# KiCad board panel.opm-lowside.kicad_pcb
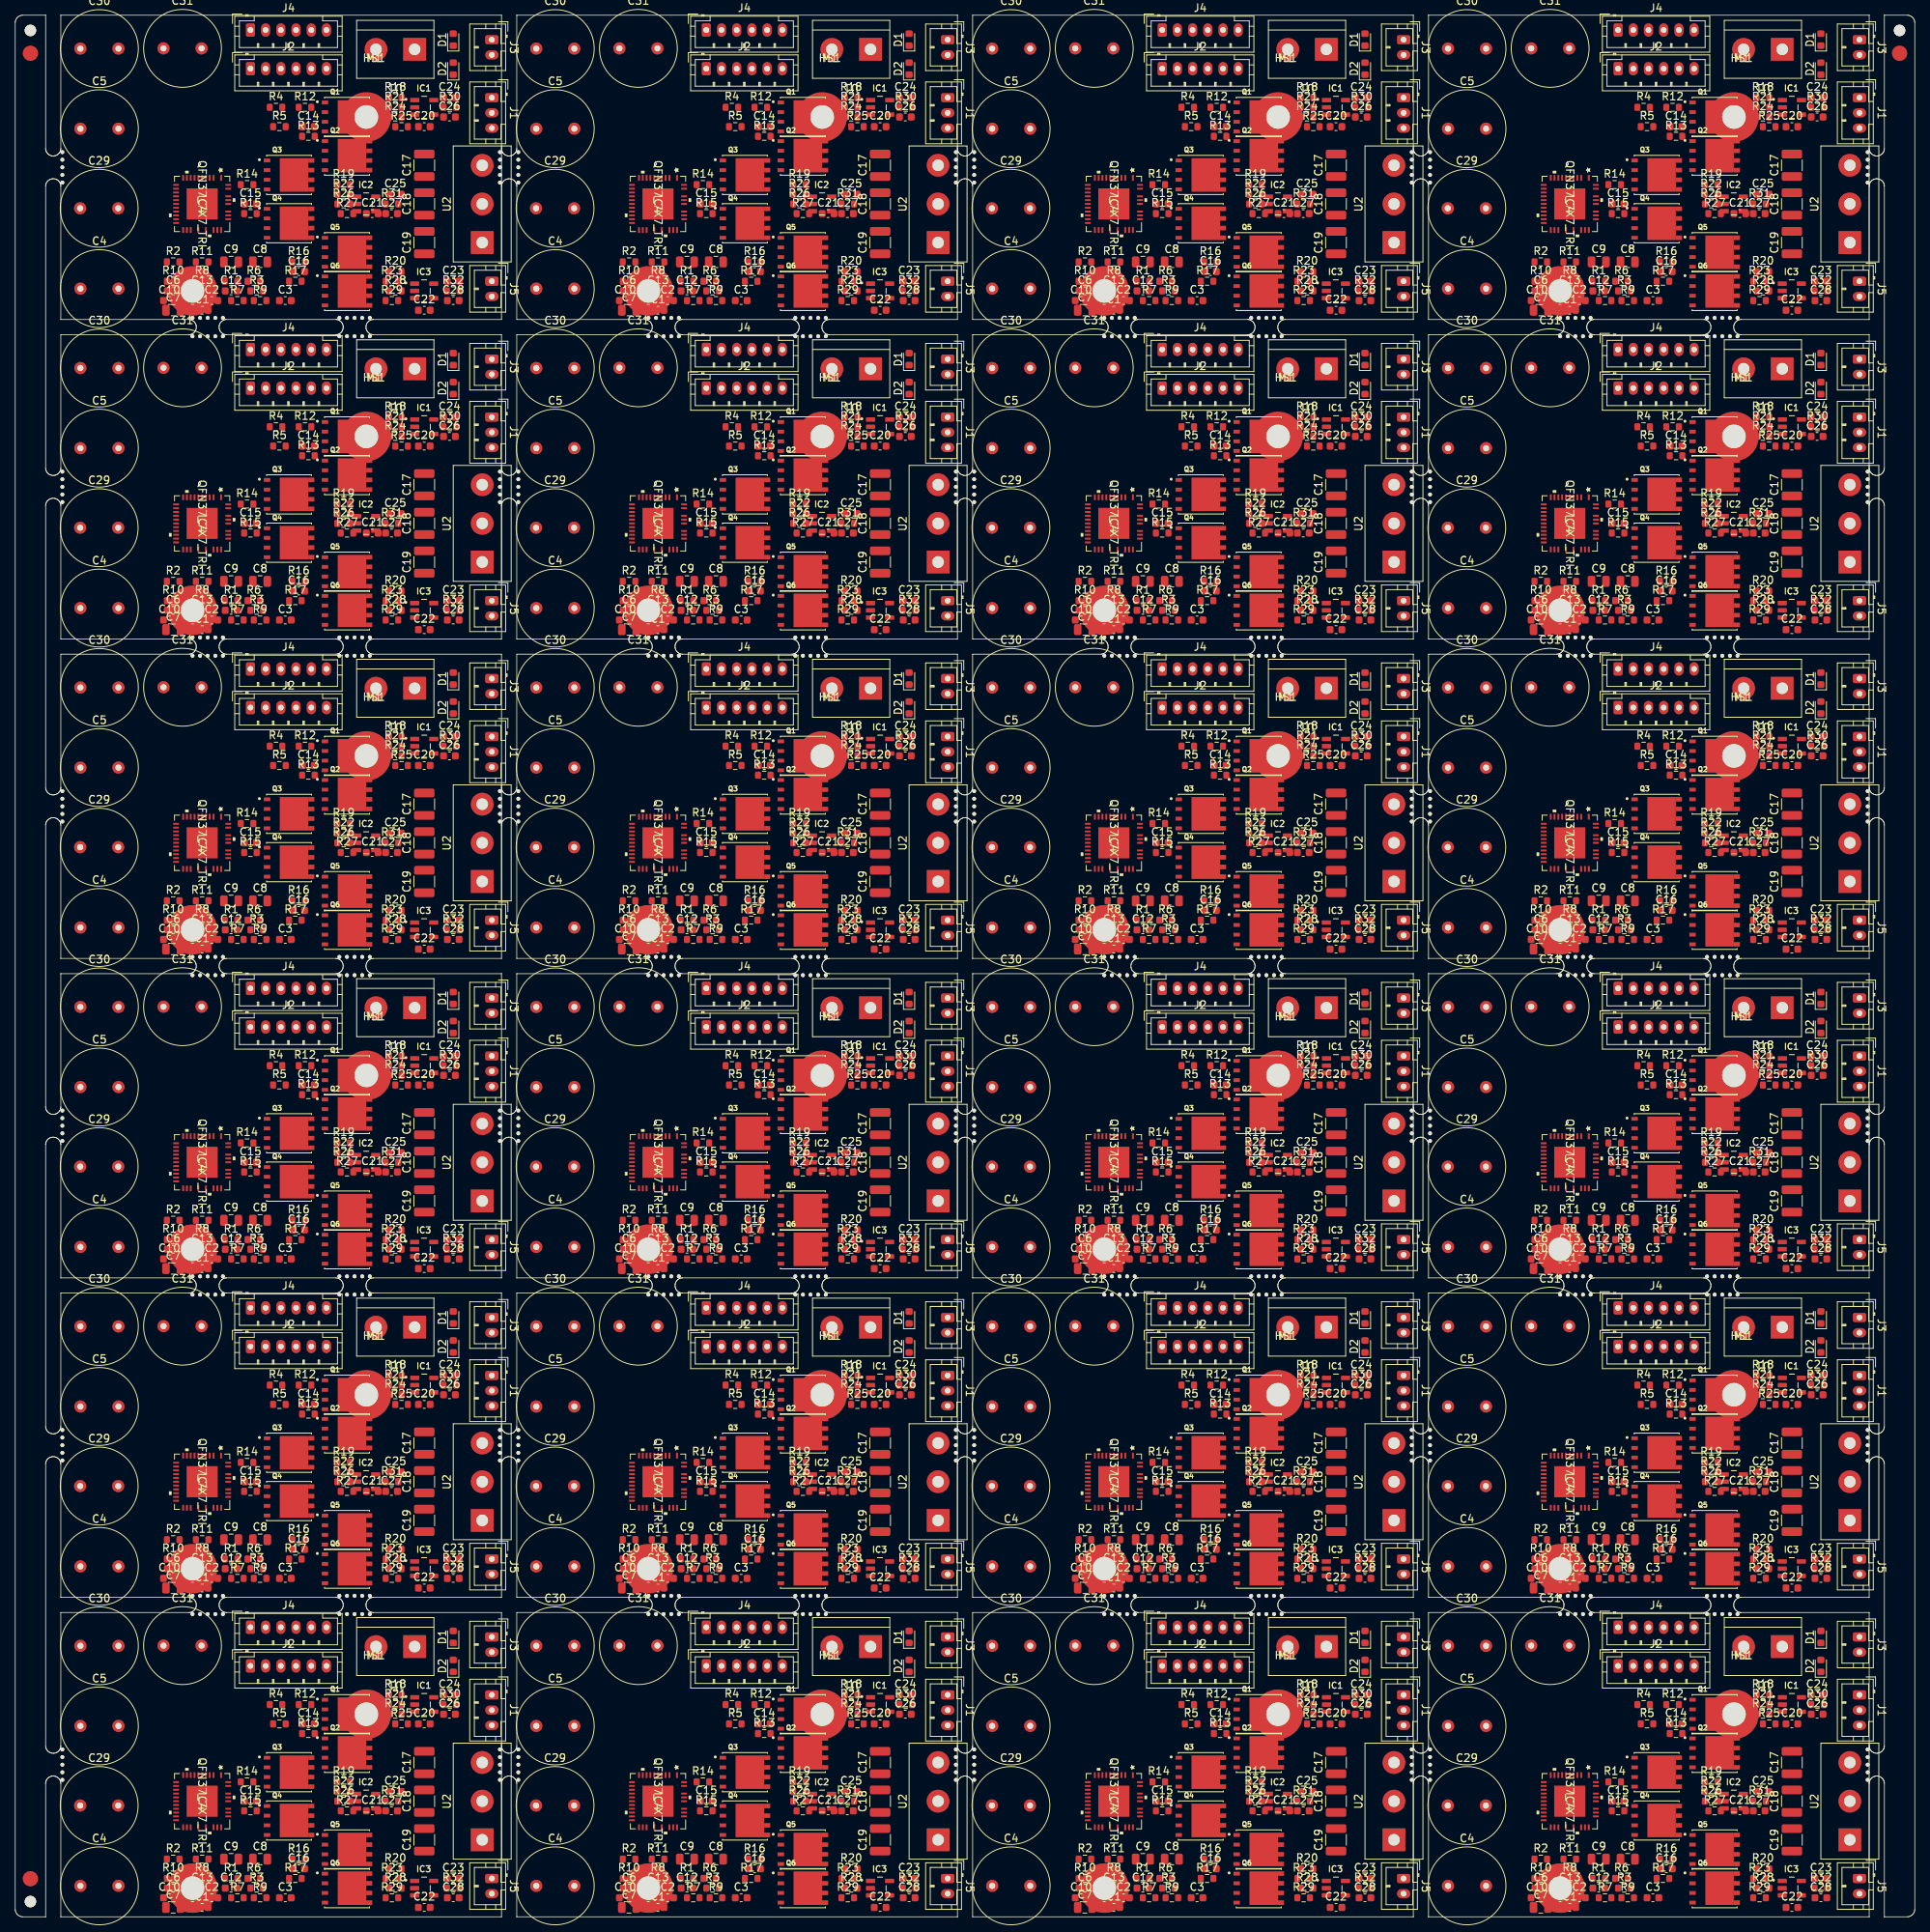
[diagram p0: board, top side]
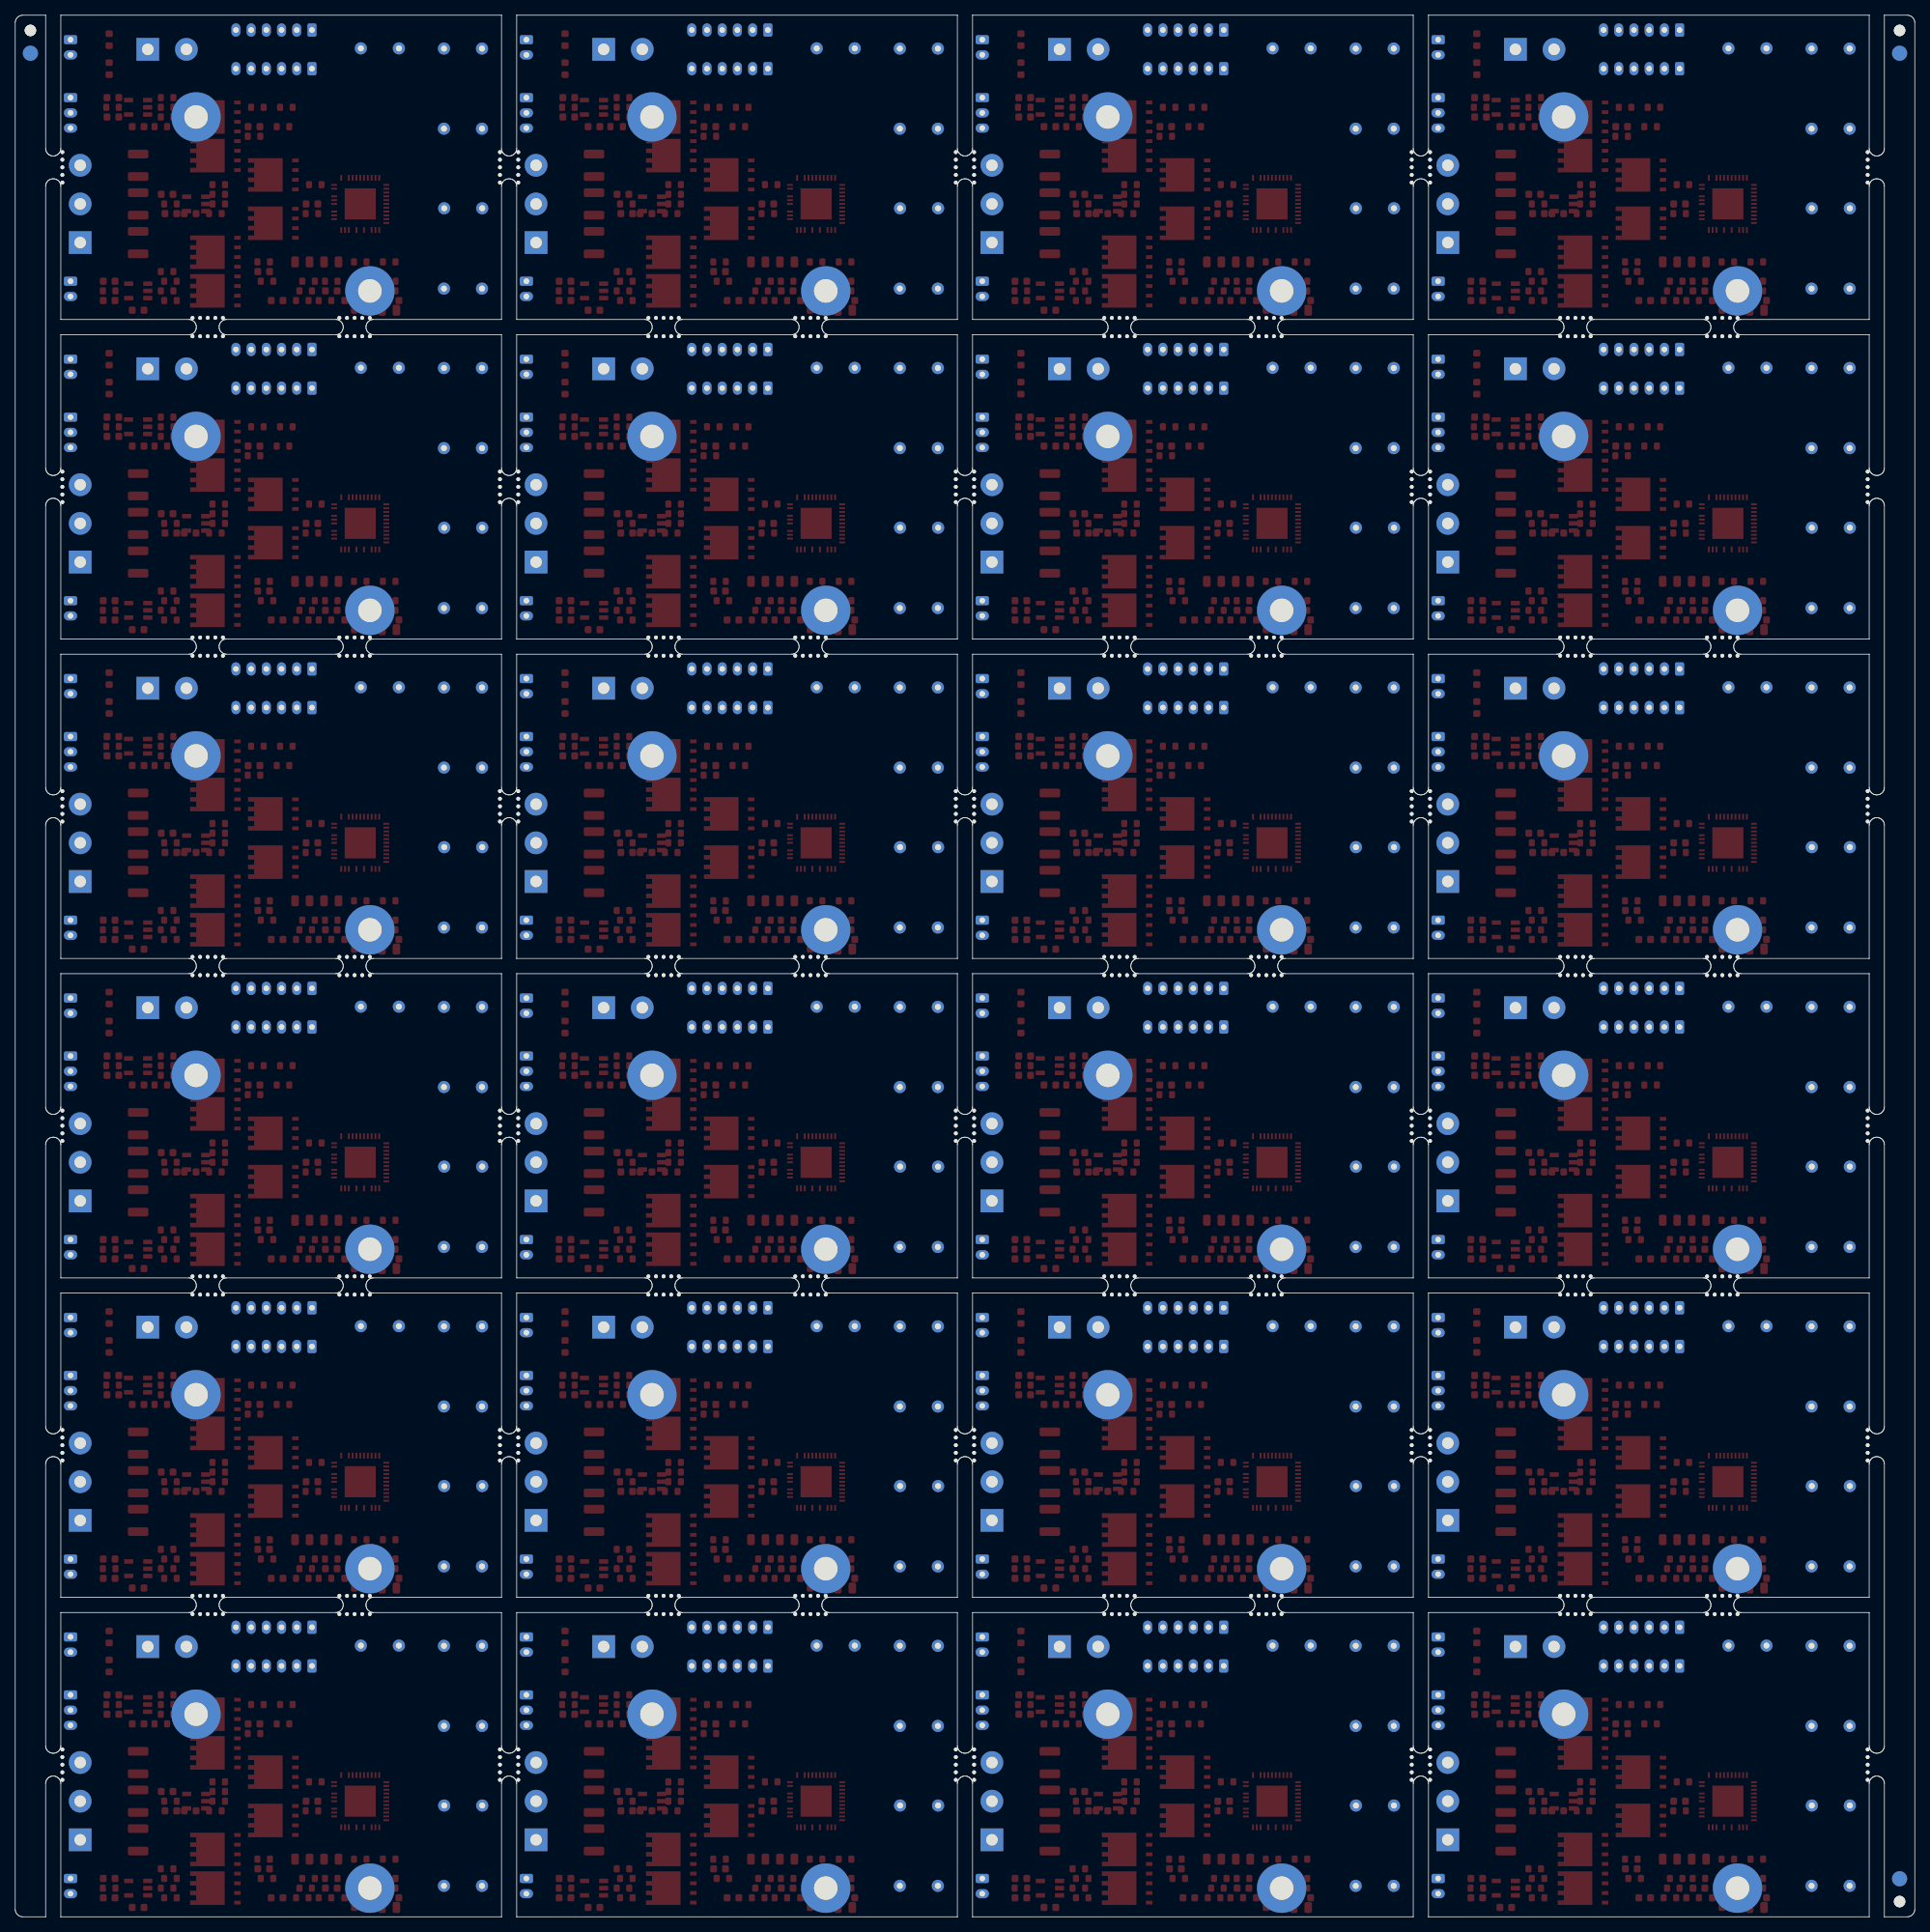
[diagram p1: board, bottom side, seen from below]

Outline 249.8 x 249.95 mm; copper layers: Top, Bottom. Coordinates in mm from the lower left corner of the outline.

## Placement (name value [footprint] x y rotation side)
C1  1nF/100V  [C_0603_1608Metric]  24.58 211.18 0 top
C1#2  1nF/100V  [C_0603_1608Metric]  84.53 211.18 0 top
C1#3  1nF/100V  [C_0603_1608Metric]  144.48 211.18 0 top
C1#4  1nF/100V  [C_0603_1608Metric]  204.43 211.18 0 top
C1#5  1nF/100V  [C_0603_1608Metric]  24.58 169.19 0 top
C1#6  1nF/100V  [C_0603_1608Metric]  84.53 169.19 0 top
C1#7  1nF/100V  [C_0603_1608Metric]  144.48 169.19 0 top
C1#8  1nF/100V  [C_0603_1608Metric]  204.43 169.19 0 top
C1#9  1nF/100V  [C_0603_1608Metric]  24.58 127.2 0 top
C1#10  1nF/100V  [C_0603_1608Metric]  84.53 127.2 0 top
C1#11  1nF/100V  [C_0603_1608Metric]  144.48 127.2 0 top
C1#12  1nF/100V  [C_0603_1608Metric]  204.43 127.2 0 top
C1#13  1nF/100V  [C_0603_1608Metric]  24.58 85.21 0 top
C1#14  1nF/100V  [C_0603_1608Metric]  84.53 85.21 0 top
C1#15  1nF/100V  [C_0603_1608Metric]  144.48 85.21 0 top
C1#16  1nF/100V  [C_0603_1608Metric]  204.43 85.21 0 top
C1#17  1nF/100V  [C_0603_1608Metric]  24.58 43.22 0 top
C1#18  1nF/100V  [C_0603_1608Metric]  84.53 43.22 0 top
C1#19  1nF/100V  [C_0603_1608Metric]  144.48 43.22 0 top
C1#20  1nF/100V  [C_0603_1608Metric]  204.43 43.22 0 top
C1#21  1nF/100V  [C_0603_1608Metric]  24.58 1.23 0 top
C1#22  1nF/100V  [C_0603_1608Metric]  84.53 1.23 0 top
C1#23  1nF/100V  [C_0603_1608Metric]  144.48 1.23 0 top
C1#24  1nF/100V  [C_0603_1608Metric]  204.43 1.23 0 top
C2  1nF/100V  [C_0603_1608Metric]  25.85 212.45 0 top
C2#2  1nF/100V  [C_0603_1608Metric]  85.8 212.45 0 top
C2#3  1nF/100V  [C_0603_1608Metric]  145.75 212.45 0 top
C2#4  1nF/100V  [C_0603_1608Metric]  205.7 212.45 0 top
C2#5  1nF/100V  [C_0603_1608Metric]  25.85 170.46 0 top
C2#6  1nF/100V  [C_0603_1608Metric]  85.8 170.46 0 top
C2#7  1nF/100V  [C_0603_1608Metric]  145.75 170.46 0 top
C2#8  1nF/100V  [C_0603_1608Metric]  205.7 170.46 0 top
C2#9  1nF/100V  [C_0603_1608Metric]  25.85 128.47 0 top
C2#10  1nF/100V  [C_0603_1608Metric]  85.8 128.47 0 top
C2#11  1nF/100V  [C_0603_1608Metric]  145.75 128.47 0 top
C2#12  1nF/100V  [C_0603_1608Metric]  205.7 128.47 0 top
C2#13  1nF/100V  [C_0603_1608Metric]  25.85 86.48 0 top
C2#14  1nF/100V  [C_0603_1608Metric]  85.8 86.48 0 top
C2#15  1nF/100V  [C_0603_1608Metric]  145.75 86.48 0 top
C2#16  1nF/100V  [C_0603_1608Metric]  205.7 86.48 0 top
C2#17  1nF/100V  [C_0603_1608Metric]  25.85 44.49 0 top
C2#18  1nF/100V  [C_0603_1608Metric]  85.8 44.49 0 top
C2#19  1nF/100V  [C_0603_1608Metric]  145.75 44.49 0 top
C2#20  1nF/100V  [C_0603_1608Metric]  205.7 44.49 0 top
C2#21  1nF/100V  [C_0603_1608Metric]  25.85 2.5 0 top
C2#22  1nF/100V  [C_0603_1608Metric]  85.8 2.5 0 top
C2#23  1nF/100V  [C_0603_1608Metric]  145.75 2.5 0 top
C2#24  1nF/100V  [C_0603_1608Metric]  205.7 2.5 0 top
C3  1nF/100V  [C_0603_1608Metric]  35.52 212.45 0 top
C3#2  1nF/100V  [C_0603_1608Metric]  95.47 212.45 0 top
C3#3  1nF/100V  [C_0603_1608Metric]  155.42 212.45 0 top
C3#4  1nF/100V  [C_0603_1608Metric]  215.37 212.45 0 top
C3#5  1nF/100V  [C_0603_1608Metric]  35.52 170.46 0 top
C3#6  1nF/100V  [C_0603_1608Metric]  95.47 170.46 0 top
C3#7  1nF/100V  [C_0603_1608Metric]  155.42 170.46 0 top
C3#8  1nF/100V  [C_0603_1608Metric]  215.37 170.46 0 top
C3#9  1nF/100V  [C_0603_1608Metric]  35.52 128.47 0 top
C3#10  1nF/100V  [C_0603_1608Metric]  95.47 128.47 0 top
C3#11  1nF/100V  [C_0603_1608Metric]  155.42 128.47 0 top
C3#12  1nF/100V  [C_0603_1608Metric]  215.37 128.47 0 top
C3#13  1nF/100V  [C_0603_1608Metric]  35.52 86.48 0 top
C3#14  1nF/100V  [C_0603_1608Metric]  95.47 86.48 0 top
C3#15  1nF/100V  [C_0603_1608Metric]  155.42 86.48 0 top
C3#16  1nF/100V  [C_0603_1608Metric]  215.37 86.48 0 top
C3#17  1nF/100V  [C_0603_1608Metric]  35.52 44.49 0 top
C3#18  1nF/100V  [C_0603_1608Metric]  95.47 44.49 0 top
C3#19  1nF/100V  [C_0603_1608Metric]  155.42 44.49 0 top
C3#20  1nF/100V  [C_0603_1608Metric]  215.37 44.49 0 top
C3#21  1nF/100V  [C_0603_1608Metric]  35.52 2.5 0 top
C3#22  1nF/100V  [C_0603_1608Metric]  95.47 2.5 0 top
C3#23  1nF/100V  [C_0603_1608Metric]  155.42 2.5 0 top
C3#24  1nF/100V  [C_0603_1608Metric]  215.37 2.5 0 top
C4  330uF/63V  [C_Radial_D10.0mm_H20.0mm_P5.00mm]  8.57 214.02 0 top
C4#2  330uF/63V  [C_Radial_D10.0mm_H20.0mm_P5.00mm]  68.52 214.02 0 top
C4#3  330uF/63V  [C_Radial_D10.0mm_H20.0mm_P5.00mm]  128.47 214.02 0 top
C4#4  330uF/63V  [C_Radial_D10.0mm_H20.0mm_P5.00mm]  188.42 214.02 0 top
C4#5  330uF/63V  [C_Radial_D10.0mm_H20.0mm_P5.00mm]  8.57 172.03 0 top
C4#6  330uF/63V  [C_Radial_D10.0mm_H20.0mm_P5.00mm]  68.52 172.03 0 top
C4#7  330uF/63V  [C_Radial_D10.0mm_H20.0mm_P5.00mm]  128.47 172.03 0 top
C4#8  330uF/63V  [C_Radial_D10.0mm_H20.0mm_P5.00mm]  188.42 172.03 0 top
C4#9  330uF/63V  [C_Radial_D10.0mm_H20.0mm_P5.00mm]  8.57 130.04 0 top
C4#10  330uF/63V  [C_Radial_D10.0mm_H20.0mm_P5.00mm]  68.52 130.04 0 top
C4#11  330uF/63V  [C_Radial_D10.0mm_H20.0mm_P5.00mm]  128.47 130.04 0 top
C4#12  330uF/63V  [C_Radial_D10.0mm_H20.0mm_P5.00mm]  188.42 130.04 0 top
C4#13  330uF/63V  [C_Radial_D10.0mm_H20.0mm_P5.00mm]  8.57 88.05 0 top
C4#14  330uF/63V  [C_Radial_D10.0mm_H20.0mm_P5.00mm]  68.52 88.05 0 top
C4#15  330uF/63V  [C_Radial_D10.0mm_H20.0mm_P5.00mm]  128.47 88.05 0 top
C4#16  330uF/63V  [C_Radial_D10.0mm_H20.0mm_P5.00mm]  188.42 88.05 0 top
C4#17  330uF/63V  [C_Radial_D10.0mm_H20.0mm_P5.00mm]  8.57 46.06 0 top
C4#18  330uF/63V  [C_Radial_D10.0mm_H20.0mm_P5.00mm]  68.52 46.06 0 top
C4#19  330uF/63V  [C_Radial_D10.0mm_H20.0mm_P5.00mm]  128.47 46.06 0 top
C4#20  330uF/63V  [C_Radial_D10.0mm_H20.0mm_P5.00mm]  188.42 46.06 0 top
C4#21  330uF/63V  [C_Radial_D10.0mm_H20.0mm_P5.00mm]  8.57 4.07 0 top
C4#22  330uF/63V  [C_Radial_D10.0mm_H20.0mm_P5.00mm]  68.52 4.07 0 top
C4#23  330uF/63V  [C_Radial_D10.0mm_H20.0mm_P5.00mm]  128.47 4.07 0 top
C4#24  330uF/63V  [C_Radial_D10.0mm_H20.0mm_P5.00mm]  188.42 4.07 0 top
C5  330uF/63V  [C_Radial_D10.0mm_H20.0mm_P5.00mm]  8.57 235.04 0 top
C5#2  330uF/63V  [C_Radial_D10.0mm_H20.0mm_P5.00mm]  68.52 235.04 0 top
C5#3  330uF/63V  [C_Radial_D10.0mm_H20.0mm_P5.00mm]  128.47 235.04 0 top
C5#4  330uF/63V  [C_Radial_D10.0mm_H20.0mm_P5.00mm]  188.42 235.04 0 top
C5#5  330uF/63V  [C_Radial_D10.0mm_H20.0mm_P5.00mm]  8.57 193.05 0 top
C5#6  330uF/63V  [C_Radial_D10.0mm_H20.0mm_P5.00mm]  68.52 193.05 0 top
C5#7  330uF/63V  [C_Radial_D10.0mm_H20.0mm_P5.00mm]  128.47 193.05 0 top
C5#8  330uF/63V  [C_Radial_D10.0mm_H20.0mm_P5.00mm]  188.42 193.05 0 top
C5#9  330uF/63V  [C_Radial_D10.0mm_H20.0mm_P5.00mm]  8.57 151.06 0 top
C5#10  330uF/63V  [C_Radial_D10.0mm_H20.0mm_P5.00mm]  68.52 151.06 0 top
C5#11  330uF/63V  [C_Radial_D10.0mm_H20.0mm_P5.00mm]  128.47 151.06 0 top
C5#12  330uF/63V  [C_Radial_D10.0mm_H20.0mm_P5.00mm]  188.42 151.06 0 top
C5#13  330uF/63V  [C_Radial_D10.0mm_H20.0mm_P5.00mm]  8.57 109.07 0 top
C5#14  330uF/63V  [C_Radial_D10.0mm_H20.0mm_P5.00mm]  68.52 109.07 0 top
C5#15  330uF/63V  [C_Radial_D10.0mm_H20.0mm_P5.00mm]  128.47 109.07 0 top
C5#16  330uF/63V  [C_Radial_D10.0mm_H20.0mm_P5.00mm]  188.42 109.07 0 top
C5#17  330uF/63V  [C_Radial_D10.0mm_H20.0mm_P5.00mm]  8.57 67.08 0 top
C5#18  330uF/63V  [C_Radial_D10.0mm_H20.0mm_P5.00mm]  68.52 67.08 0 top
C5#19  330uF/63V  [C_Radial_D10.0mm_H20.0mm_P5.00mm]  128.47 67.08 0 top
C5#20  330uF/63V  [C_Radial_D10.0mm_H20.0mm_P5.00mm]  188.42 67.08 0 top
C5#21  330uF/63V  [C_Radial_D10.0mm_H20.0mm_P5.00mm]  8.57 25.09 0 top
C5#22  330uF/63V  [C_Radial_D10.0mm_H20.0mm_P5.00mm]  68.52 25.09 0 top
C5#23  330uF/63V  [C_Radial_D10.0mm_H20.0mm_P5.00mm]  128.47 25.09 0 top
C5#24  330uF/63V  [C_Radial_D10.0mm_H20.0mm_P5.00mm]  188.42 25.09 0 top
C6  100nF/50V  [C_0603_1608Metric]  20.77 213.72 0 top
C6#2  100nF/50V  [C_0603_1608Metric]  80.72 213.72 0 top
C6#3  100nF/50V  [C_0603_1608Metric]  140.67 213.72 0 top
C6#4  100nF/50V  [C_0603_1608Metric]  200.62 213.72 0 top
C6#5  100nF/50V  [C_0603_1608Metric]  20.77 171.73 0 top
C6#6  100nF/50V  [C_0603_1608Metric]  80.72 171.73 0 top
C6#7  100nF/50V  [C_0603_1608Metric]  140.67 171.73 0 top
C6#8  100nF/50V  [C_0603_1608Metric]  200.62 171.73 0 top
C6#9  100nF/50V  [C_0603_1608Metric]  20.77 129.74 0 top
C6#10  100nF/50V  [C_0603_1608Metric]  80.72 129.74 0 top
C6#11  100nF/50V  [C_0603_1608Metric]  140.67 129.74 0 top
C6#12  100nF/50V  [C_0603_1608Metric]  200.62 129.74 0 top
C6#13  100nF/50V  [C_0603_1608Metric]  20.77 87.75 0 top
C6#14  100nF/50V  [C_0603_1608Metric]  80.72 87.75 0 top
C6#15  100nF/50V  [C_0603_1608Metric]  140.67 87.75 0 top
C6#16  100nF/50V  [C_0603_1608Metric]  200.62 87.75 0 top
C6#17  100nF/50V  [C_0603_1608Metric]  20.77 45.76 0 top
C6#18  100nF/50V  [C_0603_1608Metric]  80.72 45.76 0 top
C6#19  100nF/50V  [C_0603_1608Metric]  140.67 45.76 0 top
C6#20  100nF/50V  [C_0603_1608Metric]  200.62 45.76 0 top
C6#21  100nF/50V  [C_0603_1608Metric]  20.77 3.77 0 top
C6#22  100nF/50V  [C_0603_1608Metric]  80.72 3.77 0 top
C6#23  100nF/50V  [C_0603_1608Metric]  140.67 3.77 0 top
C6#24  100nF/50V  [C_0603_1608Metric]  200.62 3.77 0 top
C7  100nF/100V  [C_0805_2012Metric]  20.77 211.18 0 top
C7#2  100nF/100V  [C_0805_2012Metric]  80.72 211.18 0 top
C7#3  100nF/100V  [C_0805_2012Metric]  140.67 211.18 0 top
C7#4  100nF/100V  [C_0805_2012Metric]  200.62 211.18 0 top
C7#5  100nF/100V  [C_0805_2012Metric]  20.77 169.19 0 top
C7#6  100nF/100V  [C_0805_2012Metric]  80.72 169.19 0 top
C7#7  100nF/100V  [C_0805_2012Metric]  140.67 169.19 0 top
C7#8  100nF/100V  [C_0805_2012Metric]  200.62 169.19 0 top
C7#9  100nF/100V  [C_0805_2012Metric]  20.77 127.2 0 top
C7#10  100nF/100V  [C_0805_2012Metric]  80.72 127.2 0 top
C7#11  100nF/100V  [C_0805_2012Metric]  140.67 127.2 0 top
C7#12  100nF/100V  [C_0805_2012Metric]  200.62 127.2 0 top
C7#13  100nF/100V  [C_0805_2012Metric]  20.77 85.21 0 top
C7#14  100nF/100V  [C_0805_2012Metric]  80.72 85.21 0 top
C7#15  100nF/100V  [C_0805_2012Metric]  140.67 85.21 0 top
C7#16  100nF/100V  [C_0805_2012Metric]  200.62 85.21 0 top
C7#17  100nF/100V  [C_0805_2012Metric]  20.77 43.22 0 top
C7#18  100nF/100V  [C_0805_2012Metric]  80.72 43.22 0 top
C7#19  100nF/100V  [C_0805_2012Metric]  140.67 43.22 0 top
C7#20  100nF/100V  [C_0805_2012Metric]  200.62 43.22 0 top
C7#21  100nF/100V  [C_0805_2012Metric]  20.77 1.23 0 top
C7#22  100nF/100V  [C_0805_2012Metric]  80.72 1.23 0 top
C7#23  100nF/100V  [C_0805_2012Metric]  140.67 1.23 0 top
C7#24  100nF/100V  [C_0805_2012Metric]  200.62 1.23 0 top
C8  2,2μF/50V  [C_0805_2012Metric]  32.2 217.53 0 top
C8#2  2,2μF/50V  [C_0805_2012Metric]  92.15 217.53 0 top
C8#3  2,2μF/50V  [C_0805_2012Metric]  152.1 217.53 0 top
C8#4  2,2μF/50V  [C_0805_2012Metric]  212.05 217.53 0 top
C8#5  2,2μF/50V  [C_0805_2012Metric]  32.2 175.54 0 top
C8#6  2,2μF/50V  [C_0805_2012Metric]  92.15 175.54 0 top
C8#7  2,2μF/50V  [C_0805_2012Metric]  152.1 175.54 0 top
C8#8  2,2μF/50V  [C_0805_2012Metric]  212.05 175.54 0 top
C8#9  2,2μF/50V  [C_0805_2012Metric]  32.2 133.55 0 top
C8#10  2,2μF/50V  [C_0805_2012Metric]  92.15 133.55 0 top
C8#11  2,2μF/50V  [C_0805_2012Metric]  152.1 133.55 0 top
C8#12  2,2μF/50V  [C_0805_2012Metric]  212.05 133.55 0 top
C8#13  2,2μF/50V  [C_0805_2012Metric]  32.2 91.56 0 top
C8#14  2,2μF/50V  [C_0805_2012Metric]  92.15 91.56 0 top
C8#15  2,2μF/50V  [C_0805_2012Metric]  152.1 91.56 0 top
C8#16  2,2μF/50V  [C_0805_2012Metric]  212.05 91.56 0 top
C8#17  2,2μF/50V  [C_0805_2012Metric]  32.2 49.57 0 top
C8#18  2,2μF/50V  [C_0805_2012Metric]  92.15 49.57 0 top
C8#19  2,2μF/50V  [C_0805_2012Metric]  152.1 49.57 0 top
C8#20  2,2μF/50V  [C_0805_2012Metric]  212.05 49.57 0 top
C8#21  2,2μF/50V  [C_0805_2012Metric]  32.2 7.58 0 top
C8#22  2,2μF/50V  [C_0805_2012Metric]  92.15 7.58 0 top
C8#23  2,2μF/50V  [C_0805_2012Metric]  152.1 7.58 0 top
C8#24  2,2μF/50V  [C_0805_2012Metric]  212.05 7.58 0 top
C9  2,2μF/50V  [C_0805_2012Metric]  28.39 217.53 0 top
C9#2  2,2μF/50V  [C_0805_2012Metric]  88.34 217.53 0 top
C9#3  2,2μF/50V  [C_0805_2012Metric]  148.29 217.53 0 top
C9#4  2,2μF/50V  [C_0805_2012Metric]  208.24 217.53 0 top
C9#5  2,2μF/50V  [C_0805_2012Metric]  28.39 175.54 0 top
C9#6  2,2μF/50V  [C_0805_2012Metric]  88.34 175.54 0 top
C9#7  2,2μF/50V  [C_0805_2012Metric]  148.29 175.54 0 top
C9#8  2,2μF/50V  [C_0805_2012Metric]  208.24 175.54 0 top
C9#9  2,2μF/50V  [C_0805_2012Metric]  28.39 133.55 0 top
C9#10  2,2μF/50V  [C_0805_2012Metric]  88.34 133.55 0 top
C9#11  2,2μF/50V  [C_0805_2012Metric]  148.29 133.55 0 top
C9#12  2,2μF/50V  [C_0805_2012Metric]  208.24 133.55 0 top
C9#13  2,2μF/50V  [C_0805_2012Metric]  28.39 91.56 0 top
C9#14  2,2μF/50V  [C_0805_2012Metric]  88.34 91.56 0 top
C9#15  2,2μF/50V  [C_0805_2012Metric]  148.29 91.56 0 top
C9#16  2,2μF/50V  [C_0805_2012Metric]  208.24 91.56 0 top
C9#17  2,2μF/50V  [C_0805_2012Metric]  28.39 49.57 0 top
C9#18  2,2μF/50V  [C_0805_2012Metric]  88.34 49.57 0 top
C9#19  2,2μF/50V  [C_0805_2012Metric]  148.29 49.57 0 top
C9#20  2,2μF/50V  [C_0805_2012Metric]  208.24 49.57 0 top
C9#21  2,2μF/50V  [C_0805_2012Metric]  28.39 7.58 0 top
C9#22  2,2μF/50V  [C_0805_2012Metric]  88.34 7.58 0 top
C9#23  2,2μF/50V  [C_0805_2012Metric]  148.29 7.58 0 top
C9#24  2,2μF/50V  [C_0805_2012Metric]  208.24 7.58 0 top
C10  100nF/50V  [C_0603_1608Metric]  20.28 212.45 0 top
C10#2  100nF/50V  [C_0603_1608Metric]  80.23 212.45 0 top
C10#3  100nF/50V  [C_0603_1608Metric]  140.18 212.45 0 top
C10#4  100nF/50V  [C_0603_1608Metric]  200.13 212.45 0 top
C10#5  100nF/50V  [C_0603_1608Metric]  20.28 170.46 0 top
C10#6  100nF/50V  [C_0603_1608Metric]  80.23 170.46 0 top
C10#7  100nF/50V  [C_0603_1608Metric]  140.18 170.46 0 top
C10#8  100nF/50V  [C_0603_1608Metric]  200.13 170.46 0 top
C10#9  100nF/50V  [C_0603_1608Metric]  20.28 128.47 0 top
C10#10  100nF/50V  [C_0603_1608Metric]  80.23 128.47 0 top
C10#11  100nF/50V  [C_0603_1608Metric]  140.18 128.47 0 top
C10#12  100nF/50V  [C_0603_1608Metric]  200.13 128.47 0 top
C10#13  100nF/50V  [C_0603_1608Metric]  20.28 86.48 0 top
C10#14  100nF/50V  [C_0603_1608Metric]  80.23 86.48 0 top
C10#15  100nF/50V  [C_0603_1608Metric]  140.18 86.48 0 top
C10#16  100nF/50V  [C_0603_1608Metric]  200.13 86.48 0 top
C10#17  100nF/50V  [C_0603_1608Metric]  20.28 44.49 0 top
C10#18  100nF/50V  [C_0603_1608Metric]  80.23 44.49 0 top
C10#19  100nF/50V  [C_0603_1608Metric]  140.18 44.49 0 top
C10#20  100nF/50V  [C_0603_1608Metric]  200.13 44.49 0 top
C10#21  100nF/50V  [C_0603_1608Metric]  20.28 2.5 0 top
C10#22  100nF/50V  [C_0603_1608Metric]  80.23 2.5 0 top
C10#23  100nF/50V  [C_0603_1608Metric]  140.18 2.5 0 top
C10#24  100nF/50V  [C_0603_1608Metric]  200.13 2.5 0 top
C11  22nF/100V  [C_0603_1608Metric]  23.31 212.45 0 top
C11#2  22nF/100V  [C_0603_1608Metric]  83.26 212.45 0 top
C11#3  22nF/100V  [C_0603_1608Metric]  143.21 212.45 0 top
C11#4  22nF/100V  [C_0603_1608Metric]  203.16 212.45 0 top
C11#5  22nF/100V  [C_0603_1608Metric]  23.31 170.46 0 top
C11#6  22nF/100V  [C_0603_1608Metric]  83.26 170.46 0 top
C11#7  22nF/100V  [C_0603_1608Metric]  143.21 170.46 0 top
C11#8  22nF/100V  [C_0603_1608Metric]  203.16 170.46 0 top
C11#9  22nF/100V  [C_0603_1608Metric]  23.31 128.47 0 top
C11#10  22nF/100V  [C_0603_1608Metric]  83.26 128.47 0 top
C11#11  22nF/100V  [C_0603_1608Metric]  143.21 128.47 0 top
C11#12  22nF/100V  [C_0603_1608Metric]  203.16 128.47 0 top
C11#13  22nF/100V  [C_0603_1608Metric]  23.31 86.48 0 top
C11#14  22nF/100V  [C_0603_1608Metric]  83.26 86.48 0 top
C11#15  22nF/100V  [C_0603_1608Metric]  143.21 86.48 0 top
C11#16  22nF/100V  [C_0603_1608Metric]  203.16 86.48 0 top
C11#17  22nF/100V  [C_0603_1608Metric]  23.31 44.49 0 top
C11#18  22nF/100V  [C_0603_1608Metric]  83.26 44.49 0 top
C11#19  22nF/100V  [C_0603_1608Metric]  143.21 44.49 0 top
C11#20  22nF/100V  [C_0603_1608Metric]  203.16 44.49 0 top
C11#21  22nF/100V  [C_0603_1608Metric]  23.31 2.5 0 top
C11#22  22nF/100V  [C_0603_1608Metric]  83.26 2.5 0 top
C11#23  22nF/100V  [C_0603_1608Metric]  143.21 2.5 0 top
C11#24  22nF/100V  [C_0603_1608Metric]  203.16 2.5 0 top
C12  100nF/100V  [C_0603_1608Metric]  28.39 213.72 0 top
C12#2  100nF/100V  [C_0603_1608Metric]  88.34 213.72 0 top
C12#3  100nF/100V  [C_0603_1608Metric]  148.29 213.72 0 top
C12#4  100nF/100V  [C_0603_1608Metric]  208.24 213.72 0 top
C12#5  100nF/100V  [C_0603_1608Metric]  28.39 171.73 0 top
C12#6  100nF/100V  [C_0603_1608Metric]  88.34 171.73 0 top
C12#7  100nF/100V  [C_0603_1608Metric]  148.29 171.73 0 top
C12#8  100nF/100V  [C_0603_1608Metric]  208.24 171.73 0 top
C12#9  100nF/100V  [C_0603_1608Metric]  28.39 129.74 0 top
C12#10  100nF/100V  [C_0603_1608Metric]  88.34 129.74 0 top
C12#11  100nF/100V  [C_0603_1608Metric]  148.29 129.74 0 top
C12#12  100nF/100V  [C_0603_1608Metric]  208.24 129.74 0 top
C12#13  100nF/100V  [C_0603_1608Metric]  28.39 87.75 0 top
C12#14  100nF/100V  [C_0603_1608Metric]  88.34 87.75 0 top
C12#15  100nF/100V  [C_0603_1608Metric]  148.29 87.75 0 top
C12#16  100nF/100V  [C_0603_1608Metric]  208.24 87.75 0 top
C12#17  100nF/100V  [C_0603_1608Metric]  28.39 45.76 0 top
C12#18  100nF/100V  [C_0603_1608Metric]  88.34 45.76 0 top
C12#19  100nF/100V  [C_0603_1608Metric]  148.29 45.76 0 top
C12#20  100nF/100V  [C_0603_1608Metric]  208.24 45.76 0 top
C12#21  100nF/100V  [C_0603_1608Metric]  28.39 3.77 0 top
C12#22  100nF/100V  [C_0603_1608Metric]  88.34 3.77 0 top
C12#23  100nF/100V  [C_0603_1608Metric]  148.29 3.77 0 top
C12#24  100nF/100V  [C_0603_1608Metric]  208.24 3.77 0 top
C13  100nF/100V  [C_0603_1608Metric]  24.58 213.72 0 top
C13#2  100nF/100V  [C_0603_1608Metric]  84.53 213.72 0 top
C13#3  100nF/100V  [C_0603_1608Metric]  144.48 213.72 0 top
C13#4  100nF/100V  [C_0603_1608Metric]  204.43 213.72 0 top